# Allegro board SDHCalFEB20180110.brd (continued)
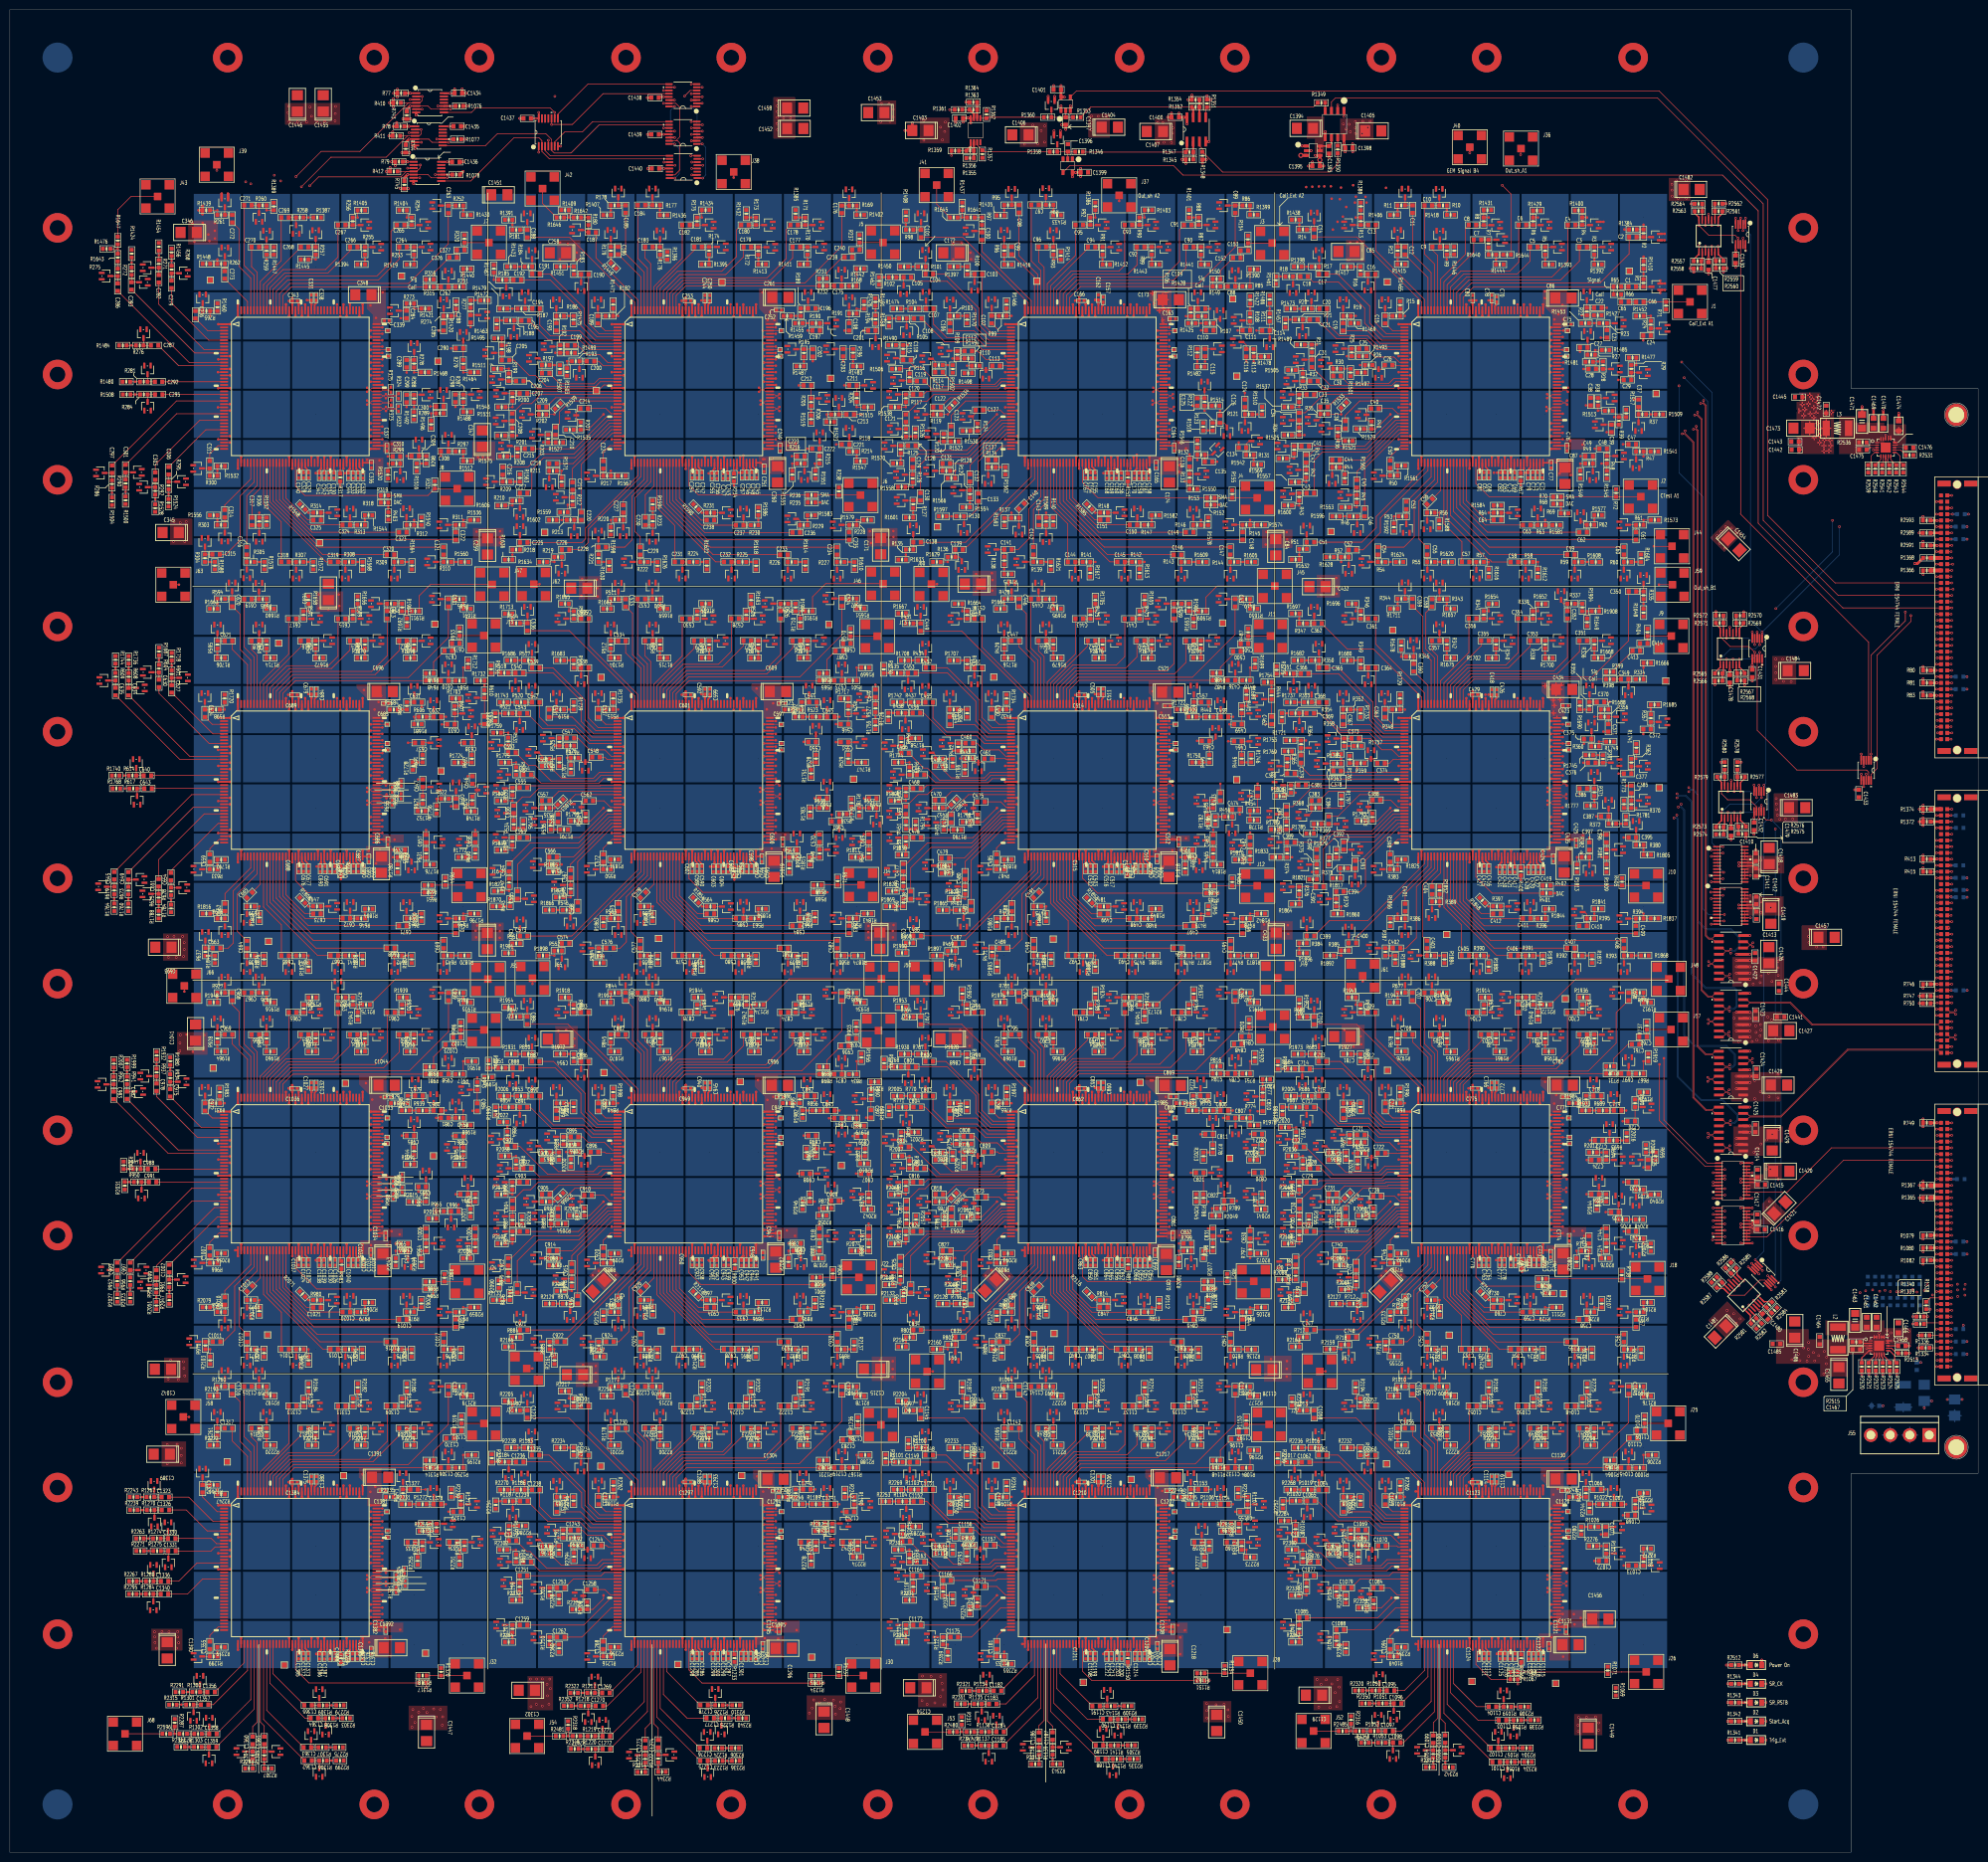
[diagram p0: board, top side]
## Routing (per net, layer and track width the routed paths; a pad name or vN(x,y) marks a point on that pad's centre or on a via; arc(x,y) is an arc through that point) (continued)
ANALOGIN28_ASIC_D1: length 42.5
  TOP w0.127: C1072.2 v1(322.2,59.19) ; v1(282.41,60.74) U845.16
  GND1 w0.127: v2(283.15,60.74) v1(282.41,60.74) ; v1(322.2,59.19) v2(321.46,59.19)
  SIG3 w0.127: v2(321.46,59.19) 319.65,59.19 319.43,59.41 287.96,59.41 286.63,60.74 v2(283.15,60.74)
ANALOGIN28_ASIC_D2: length 41.5
  TOP w0.127: v1(202.4,60.74) U910.16 ; C1159.2 v1(240.86,62.18)
  GND1 w0.127: v1(240.86,62.18) v2(240.86,61.44) ; v1(202.4,60.74) v2(203.14,60.74)
  SIG3 w0.127: v2(203.14,60.74) 234.88,60.74 235.59,61.44 v2(240.86,61.44)
ANALOGIN28_ASIC_D3: length 41.7
  TOP w0.127: v1(122.39,60.74) U975.16 ; C1246.2 v1(160.87,62.03)
  GND1 w0.127: v2(123.13,60.74) v1(122.39,60.74) ; v1(160.87,62.03) v2(160.87,61.29)
  SIG3 w0.127: v2(123.13,60.74) 154.47,60.74 155.12,61.39 160.18,61.39 160.28,61.29 v2(160.87,61.29)
ANALOGIN28_ASIC_D4: length 41.1
  TOP w0.127: C1333.2 v1(80.87,62.03) ; v1(42.38,60.74) U1040.16
  GND1 w0.127: v1(80.87,62.03) v2(80.14,62.03) ; v2(43.12,60.74) v1(42.38,60.74)
  SIG3 w0.127: v2(43.12,60.74) 75.22,60.74 75.84,61.37 79.48,61.37 v2(80.14,62.03)
ANALOGIN29_ASIC_A1: length 45
  TOP w0.127: U65.17 283.6,300.13 v1(284.77,300.13) ; C29.2 v1(327.04,299.2)
  GND1 w0.127: v1(327.04,299.2) v2(326.31,299.2) ; v2(285.51,300.13) v1(284.77,300.13)
  SIG3 w0.127: v2(285.51,300.13) 286.24,299.39 325.12,299.39 325.31,299.2 v2(326.31,299.2)
ANALOGIN29_ASIC_A2: length 50.9
  TOP w0.127: v1(204.76,300.12) U130.17 ; C116.2 251.42,302.96 251.43,302.95 v1(251.43,302.95)
  GND1 w0.127: v1(251.43,302.95) 251.43,302.94 v2(251.43,302.21) ; v1(204.76,300.12) v2(205.5,300.12)
  SIG3 w0.127: v2(251.43,302.21) 248.77,299.55 206.07,299.55 v2(205.5,300.12)
ANALOGIN29_ASIC_A3: length 49
  TOP w0.127: v1(124.75,300.12) U195.17 ; C203.2 v1(169.46,302.96)
  GND1 w0.127: v1(169.46,302.96) v2(169.46,302.22) ; v2(125.49,300.12) v1(124.75,300.12)
  SIG3 w0.127: v2(169.46,302.22) 166.78,299.55 126.06,299.55 v2(125.49,300.12)
ANALOGIN29_ASIC_A4: length 50.9
  TOP w0.127: v1(44.74,300.12) U260.17 ; C290.2 v1(89.71,305.6)
  GND1 w0.127: v1(89.71,305.6) v2(88.98,305.6) ; v2(45.48,300.12) v1(44.74,300.12)
  SIG3 w0.127: v2(88.98,305.6) 81.62,298.25 47.35,298.25 v2(45.48,300.12)
ANALOGIN29_ASIC_B1: length 45
  TOP w0.127: v1(284.84,220.11) U325.17 ; C377.2 v1(327.13,219.18)
  GND1 w0.127: v1(327.13,219.18) v2(325.99,219.18) ; v1(284.84,220.11) v2(285.57,220.11)
  SIG3 w0.127: v2(285.57,220.11) 285.78,220.11 286.44,219.46 318.46,219.46 318.74,219.18 v2(325.99,219.18)
ANALOGIN29_ASIC_B5: length 47.7
  TOP w0.127: v1(204.76,220.11) U390.17 ; C464.2 v1(247.76,225.76)
  GND1 w0.127: v2(205.5,220.11) v1(204.76,220.11) ; v1(247.76,225.76) v2(247.02,225.76)
  SIG3 w0.127: v2(247.02,225.76) 244.05,222.79 236.43,222.79 236.27,222.63 236.26,222.63 235.93,222.3 235.93,222.29 234.42,220.78 232.41,220.78 231.74,220.11 v2(205.5,220.11)
ANALOGIN29_ASIC_B6: length 47.7
  TOP w0.127: C551.2 v1(168,225.58) ; v1(124.75,220.11) U455.17
  GND1 w0.127: v1(168,225.58) v2(167.26,225.58) ; v1(124.75,220.11) v2(125.49,220.11)
  SIG3 w0.127: v2(125.49,220.11) 151.55,220.11 153.43,221.98 154.8,221.98 155.52,222.71 164.38,222.71 v2(167.26,225.58)
ANALOGIN29_ASIC_B7: length 51.1
  TOP w0.127: C638.2 v1(91.44,225.45) ; v1(44.74,220.11) U520.17
  GND1 w0.127: v1(44.74,220.11) v2(45.48,220.11) ; v1(91.44,225.45) v2(90.7,225.45)
  SIG3 w0.127: v2(90.7,225.45) 87.96,222.71 75.41,222.71 72.81,220.11 v2(45.48,220.11)
ANALOGIN29_ASIC_C1: length 49.9
  TOP w0.127: C725.2 v1(332.18,139.17) ; v1(284.78,140.1) U585.17
  GND1 w0.127: v1(332.18,139.17) v2(331.44,139.17) ; v2(285.51,140.1) v1(284.78,140.1)
  SIG3 w0.127: v2(285.51,140.1) 309.63,140.1 310.24,139.5 330.57,139.5 330.9,139.17 v2(331.44,139.17)
ANALOGIN29_ASIC_C2: length 51.9
  TOP w0.127: v1(204.76,140.1) U650.17 ; C812.2 v1(252.17,145.93)
  GND1 w0.127: v2(205.5,140.1) v1(204.76,140.1) ; v1(252.17,145.93) v2(251.43,145.93)
  SIG3 w0.127: v2(205.5,140.1) 233.14,140.1 234.37,141.33 245.59,141.33 250.19,145.93 v2(251.43,145.93)
ANALOGIN29_ASIC_C3: length 51
  TOP w0.127: C899.2 v1(171.37,145.52) ; v1(124.75,140.1) U715.17
  GND1 w0.127: v2(170.64,145.52) v1(171.37,145.52) ; v2(125.49,140.1) v1(124.75,140.1)
  SIG3 w0.127: v2(125.49,140.1) 150.26,140.1 150.83,140.67 154.21,140.67 156.24,142.7 167.81,142.7 v2(170.64,145.52)
ANALOGIN29_ASIC_C4: length 49.4
  TOP w0.127: v1(44.74,140.1) U780.17 ; C986.2 v1(90,145.55)
  GND1 w0.127: v1(90,145.55) v2(89.25,145.55) ; v2(45.48,140.1) v1(44.74,140.1)
  SIG3 w0.127: v2(45.48,140.1) 67.63,140.1 68.28,140.74 73.99,140.74 75.97,142.72 86.43,142.72 v2(89.25,145.55)
ANALOGIN29_ASIC_D1: length 46.4
  TOP w0.127: C1073.2 v1(328.17,58.25) ; v1(284.78,60.09) U845.17
  GND1 w0.127: v1(328.17,58.25) v2(327.43,58.25) ; v1(284.78,60.09) v2(285.51,60.09)
  SIG3 w0.127: v2(285.51,60.09) 287.44,58.17 317.32,58.17 317.41,58.25 v2(327.43,58.25)
ANALOGIN29_ASIC_D2: length 46.2
  TOP w0.127: v1(204.76,60.09) U910.17 ; C1160.2 v1(247.49,62)
  GND1 w0.127: v1(247.49,62) v2(246.75,62) ; v2(205.5,60.09) v1(204.76,60.09)
  SIG3 w0.127: v2(205.5,60.09) 206.15,59.44 244.19,59.44 v2(246.75,62)
ANALOGIN29_ASIC_D3: length 48.1
  TOP w0.127: v1(169.39,62.05) C1247.2 ; v1(124.75,60.09) U975.17
  GND1 w0.127: v2(125.49,60.09) v1(124.75,60.09) ; v1(169.39,62.05) v2(168.87,61.53)
  SIG3 w0.127: v2(125.49,60.09) 126.14,59.44 166.78,59.44 v2(168.87,61.53)
ANALOGIN29_ASIC_D4: length 48.1
  TOP w0.127: v1(44.74,60.09) U1040.17 ; C1334.2 v1(89.41,62.05)
  GND1 w0.127: v1(44.74,60.09) v2(45.48,60.09) ; v1(89.41,62.05) v2(88.67,62.05)
  SIG3 w0.127: v2(45.48,60.09) 46.05,59.52 86.14,59.52 v2(88.67,62.05)
ANALOGIN30_ASIC_A1: length 14
  TOP w0.127: C30.2 270.62,299.95 272.1,298.48 280.42,298.48 281.41,299.47 U65.18
ANALOGIN30_ASIC_A2: length 15.5
  TOP w0.127: U130.18 201.48,299.47 200.25,298.25 192.15,298.25 189.69,300.71 C117.2
ANALOGIN30_ASIC_A3: length 15.2
  TOP w0.127: U195.18 119.84,299.47 118.77,298.4 111.84,298.4 109.73,300.51 C204.2
ANALOGIN30_ASIC_B1: length 13
  TOP w0.127: U325.18 271.53,219.46 271.26,219.73 C378.2
ANALOGIN30_ASIC_B5: length 15.7
  TOP w0.127: U390.18 199.32,219.46 198.17,218.31 191.41,218.31 189.74,219.99 C465.2
ANALOGIN30_ASIC_B6: length 15.3
  TOP w0.127: U455.18 119.89,219.46 118.69,218.26 112.15,218.26 109.75,220.66 C552.2
ANALOGIN30_ASIC_C1: length 15.8
  TOP w0.127: C726.2 269.77,140.05 271.67,138.15 278.33,138.15 279.63,139.45 U585.18
ANALOGIN30_ASIC_C2: length 15.7
  TOP w0.127: C813.2 189.76,140.05 191.54,138.28 199.52,138.28 200.69,139.45 U650.18
ANALOGIN30_ASIC_C3: length 15.6
  TOP w0.127: C900.2 109.78,140.08 111.55,138.3 118.62,138.3 119.76,139.45 U715.18
ANALOGIN30_ASIC_D1: length 15.4
  TOP w0.127: U845.18 280.04,59.44 278.82,58.22 272.22,58.22 269.78,60.66 C1074.2
ANALOGIN30_ASIC_D2: length 15.2
  TOP w0.127: U910.18 200.08,59.44 199.14,58.5 191.91,58.5 189.75,60.66 C1161.2
ANALOGIN30_ASIC_D3: length 15.2
  TOP w0.127: U975.18 120.42,59.44 119.33,58.34 112.1,58.34 109.78,60.66 C1248.2
ANALOGIN31_ASIC_A1: length 20.7
  TOP w0.127: U65.19 281.78,298.82 281,298.04 268.56,298.04 264.81,301.79 C31.2
ANALOGIN31_ASIC_A2: length 23.4
  TOP w0.127: C118.2 183.18,302.63 184.04,301.78 185.27,301.78 189.23,297.81 200.61,297.81 201.61,298.82 U130.19
ANALOGIN31_ASIC_A3: length 24.6
  TOP w0.127: C205.2 102.53,303.21 105.61,300.13 106.86,300.13 109.09,297.89 119.13,297.89 120.05,298.82 U195.19
ANALOGIN31_ASIC_A4: length 12.5
  TOP w0.127: C292.2 43.56,298.82 U260.19
ANALOGIN31_ASIC_B1: length 22.5
  TOP w0.127: C379.2 262.56,220.63 264.37,218.81 U325.19
ANALOGIN31_ASIC_B5: length 23.5
  TOP w0.127: U390.19 199.43,218.81 198.42,217.81 189.1,217.81 186.59,220.32 185.82,220.32 C466.2
ANALOGIN31_ASIC_B6: length 23.6
  TOP w0.127: U455.19 120.16,218.81 119.05,217.7 110.06,217.7 106.91,220.85 105.44,220.85 102.87,223.43 C553.2
ANALOGIN31_ASIC_B7: length 14.8
  TOP w0.127: U520.19 28.75,218.81 C640.2
ANALOGIN31_ASIC_C1: length 23.3
  TOP w0.127: C727.2 263.47,143.33 269.13,137.67 278.84,137.67 279.97,138.8 U585.19
ANALOGIN31_ASIC_C2: length 23.5
  TOP w0.127: U650.19 201.21,138.8 200.2,137.79 189.13,137.79 183.62,143.3 C814.2
ANALOGIN31_ASIC_C3: length 23.7
  TOP w0.127: C901.2 103.71,143.43 109.37,137.77 119.53,137.77 120.56,138.8 U715.19
ANALOGIN31_ASIC_C4: length 14
  TOP w0.127: U780.19 29.62,138.8 C988.2
ANALOGIN31_ASIC_D1: length 23.5
  TOP w0.127: C1075.2 262.98,63.32 265.44,60.86 266.52,60.86 269.7,57.68 279.2,57.68 280.3,58.79 U845.19
ANALOGIN31_ASIC_D2: length 23.1
  TOP w0.127: U910.19 200.39,58.79 199.59,57.99 188.9,57.99 185.7,61.19 184.95,61.19 183.02,63.12 C1162.2
ANALOGIN31_ASIC_D3: length 23.3
  TOP w0.127: C1249.2 103,63.25 105.16,61.09 105.8,61.09 109.13,57.76 119.74,57.76 120.77,58.79 U975.19
ANALOGIN31_ASIC_D4: length 12.9
  TOP w0.127: U1040.19 38.06,58.79 34.34,55.06 C1336.2
ANALOGIN32_ASIC_A1: length 18.6
  TOP w0.127: C32.2 265.95,298.91 267.38,297.48 281.43,297.48 282.12,298.17 U65.20
ANALOGIN32_ASIC_A2: length 18.6
  TOP w0.127: U130.20 201.83,298.17 201.02,297.36 187.53,297.36 185.98,298.91 C119.2
ANALOGIN32_ASIC_A3: length 20.1
  TOP w0.127: U195.20 120.78,298.17 119.99,297.38 107.26,297.38 105.68,298.97 C206.2
ANALOGIN32_ASIC_B1: length 22.8
  TOP w0.127: U325.20 282.6,218.16 282.53,218.08 262.38,218.08 C380.2
ANALOGIN32_ASIC_B5: length 18.6
  TOP w0.127: U390.20 199.77,218.16 198.96,217.35 188.21,217.35 186.62,218.94 C467.2
ANALOGIN32_ASIC_B6: length 18.7
  TOP w0.127: C554.2 106.3,218.97 108.03,217.25 119.79,217.25 120.7,218.16 U455.20
ANALOGIN32_ASIC_C1: length 18.9
  TOP w0.127: U585.20 280.14,138.15 278.99,137.01 268.54,137.01 266.56,138.98 C728.2
ANALOGIN32_ASIC_C2: length 18.7
  TOP w0.127: U650.20 202.08,138.15 201.22,137.29 188.39,137.29 186.72,138.96 C815.2
ANALOGIN32_ASIC_C3: length 18.7
  TOP w0.127: U715.20 121.18,138.15 120.29,137.26 107.69,137.26 C902.2
ANALOGIN32_ASIC_D1: length 18.8
  TOP w0.127: C1076.2 265.97,58.93 267.7,57.2 280.01,57.2 280.95,58.14 U845.20
ANALOGIN32_ASIC_D2: length 18.8
  TOP w0.127: U910.20 200.73,58.14 199.72,57.12 188.67,57.12 186.82,58.97 C1163.2
ANALOGIN32_ASIC_D3: length 18.8
  TOP w0.127: U975.20 121.06,58.14 120.12,57.2 107.7,57.2 105.97,58.94 C1250.2
ANALOGIN33_ASIC_A1: length 18.7
  TOP w0.127: U65.22 265.83,296.87 265.21,296.26 C33.2
ANALOGIN33_ASIC_A2: length 18.6
  TOP w0.127: U130.22 186.43,296.87 185.81,296.25 C120.2
ANALOGIN33_ASIC_A3: length 18.5
  TOP w0.127: U195.22 107.08,296.87 106.67,296.46 C207.2
ANALOGIN33_ASIC_B1: length 20.1
  TOP w0.127: C381.2 282.6,216.86 282.6,216.86 U325.22
ANALOGIN33_ASIC_B5: length 18.6
  TOP w0.127: C468.2 185.82,216.18 186.51,216.86 U390.22
ANALOGIN33_ASIC_B6: length 18.6
  TOP w0.127: U455.22 120.16,216.86 120.02,216.71 105.57,216.71 C555.2
ANALOGIN33_ASIC_C1: length 18.7
  TOP w0.127: U585.22 279.65,136.85 279.27,136.47 266.32,136.47 266.01,136.17 C729.2
ANALOGIN33_ASIC_C2: length 18.7
  TOP w0.127: C816.2 186.13,136.17 186.66,136.7 201.96,136.7 202.1,136.85 U650.22
ANALOGIN33_ASIC_C3: length 18.6
  TOP w0.127: C903.2 105.77,136.73 121.08,136.73 121.2,136.85 U715.22
ANALOGIN33_ASIC_D1: length 18.7
  TOP w0.127: C1077.2 280.53,56.2 281.17,56.84 U845.22
ANALOGIN33_ASIC_D2: length 18.6
  TOP w0.127: U910.22 200.76,56.84 200.1,56.18 C1164.2
ANALOGIN33_ASIC_D3: length 18.6
  TOP w0.127: U975.22 120.9,56.84 120.24,56.18 C1251.2
ANALOGIN34_ASIC_A1: length 22.9
  TOP w0.127: U65.23 267.11,296.22 263.41,292.52 C34.2
ANALOGIN34_ASIC_A2: length 23
  TOP w0.127: U130.23 202.59,296.22 202.59,296.21 187.86,296.21 186.46,294.82 184.89,294.82 182.25,292.18 C121.2
ANALOGIN34_ASIC_A3: length 23
  TOP w0.127: C208.2 104.15,294.36 106.05,294.36 107.9,296.22 U195.23
ANALOGIN34_ASIC_A4: length 12.5
  TOP w0.127: U260.23 31.05,296.22 C295.2
ANALOGIN34_ASIC_B1: length 25.5
  TOP w0.127: C382.2 260.88,212.47 264.62,216.21 U325.23
ANALOGIN34_ASIC_B5: length 22.9
  TOP w0.127: U390.23 187.84,216.21 186.56,214.93 184.67,214.93 182.24,212.5 C469.2
ANALOGIN34_ASIC_B6: length 22.6
  TOP w0.127: C556.2 104.25,214.45 105.82,214.45 107.57,216.21 U455.23
ANALOGIN34_ASIC_B7: length 14.7
  TOP w0.127: C643.2 28.94,216.21 U520.23
ANALOGIN34_ASIC_C1: length 23
  TOP w0.127: C730.2 264.72,134.8 266.55,134.8 267.67,135.92 279.6,135.92 279.89,136.2 U585.23
ANALOGIN34_ASIC_C2: length 22.9
  TOP w0.127: C817.2 182.36,132.31 184.88,134.82 186.13,134.82 187.4,136.09 202.21,136.09 202.32,136.2 U650.23
ANALOGIN34_ASIC_C3: length 22.9
  TOP w0.127: U715.23 107.47,136.2 105.89,134.62 104.44,134.62 102.25,132.44 C904.2
ANALOGIN34_ASIC_C4: length 13.8
  TOP w0.127: C991.2 29.8,136.2 U780.23
ANALOGIN35_ASIC_A1: length 16.4
  TOP w0.127: C35.2 269.87,295.57 U65.24
ANALOGIN35_ASIC_A2: length 15.1
  TOP w0.127: U130.24 191.18,295.57 189.31,293.7 C122.2
ANALOGIN35_ASIC_A3: length 15.3
  TOP w0.127: C209.2 110.98,295.57 U195.24
ANALOGIN35_ASIC_B1: length 18.1
  TOP w0.127: C383.2 268.12,215.56 U325.24
ANALOGIN35_ASIC_B5: length 14.6
  TOP w0.127: U390.24 191.46,215.56 C470.2
ANALOGIN35_ASIC_B6: length 14.6
  TOP w0.127: C557.2 111.6,215.56 U455.24
ANALOGIN35_ASIC_C1: length 14.6
  TOP w0.127: C731.2 271.43,135.41 280.19,135.41 280.33,135.55 U585.24
ANALOGIN35_ASIC_C2: length 14.6
  TOP w0.127: C818.2 190.5,133.7 192.34,135.55 U650.24
ANALOGIN35_ASIC_C3: length 14.6
  TOP w0.127: C905.2 111.6,135.55 U715.24
ANALOGIN35_ASIC_D1: length 11.6
  TOP w0.127: C1079.2 272.8,53.76 274.58,55.54 U845.24
ANALOGIN35_ASIC_D2: length 12.4
  TOP w0.127: C1166.2 200.55,55.22 200.88,55.54 U910.24
ANALOGIN35_ASIC_D3: length 11.5
  TOP w0.127: U975.24 114.62,55.54 C1253.2
ANALOGIN35_ASIC_D4: length 12.6
  TOP w0.127: U1040.24 39.21,55.54 36.11,52.45 C1340.2
ANALOGIN36_ASIC_A1: length 14.4
  TOP w0.127: U65.25 274.47,294.92 271.56,292.01 C36.2
ANALOGIN36_ASIC_A2: length 15.6
  TOP w0.127: U130.25 194.36,294.92 191.4,291.96 C123.2
ANALOGIN36_ASIC_A3: length 16.2
  TOP w0.127: C210.2 111,289.56 111.79,290.35 111.79,292.74 113.97,294.92 U195.25
ANALOGIN36_ASIC_A4: length 28.2
  TOP w0.127: C297.2 33.9,294.92 U260.25
ANALOGIN36_ASIC_B1: length 17.2
  TOP w0.127: U325.25 274.47,214.91 270.05,210.49 C384.2
ANALOGIN36_ASIC_B5: length 14.2
  TOP w0.127: C471.2 191.42,211.39 194.94,214.91 U390.25
ANALOGIN36_ASIC_B6: length 14.1
  TOP w0.127: U455.25 114.96,214.91 111.48,211.43 C558.2
ANALOGIN36_ASIC_B7: length 28.8
  TOP w0.127: U520.25 36.97,214.91 21.28,199.21 C645.2
ANALOGIN36_ASIC_C1: length 14.1
  TOP w0.127: C732.2 271.63,131.45 275.08,134.9 U585.25
ANALOGIN36_ASIC_C2: length 14.2
  TOP w0.127: C819.2 191.47,131.37 195,134.9 U650.25
ANALOGIN36_ASIC_C3: length 14.3
  TOP w0.127: C906.2 111.48,131.53 114.86,134.9 U715.25
ANALOGIN36_ASIC_C4: length 28
  TOP w0.127: U780.25 36.97,134.9 21.89,119.81 C993.2
ANALOGIN37_ASIC_A1: length 48.4
  TOP w0.127: v1(284.81,294.27) U65.26 ; v1(330.28,295.21) C37.2
  GND1 w0.127: v1(330.28,295.21) v2(329.54,295.21) ; v1(284.81,294.27) v2(285.55,294.27)
  SIG3 w0.127: v2(285.55,294.27) 286.02,294.74 314.81,294.74 315.77,295.71 319.74,295.71 320.23,295.21 v2(329.54,295.21)
ANALOGIN37_ASIC_A2: length 52.2
  TOP w0.127: C124.2 v1(251.14,296.55) ; v1(204.76,294.27) U130.26
  GND1 w0.127: v2(205.5,294.27) v1(204.76,294.27) ; v1(251.14,296.55) v2(251.14,297.28)
  SIG3 w0.127: v2(251.14,297.28) 249.59,298.83 233.93,298.83 233.32,298.22 209.45,298.22 v2(205.5,294.27)
ANALOGIN37_ASIC_A3: length 49.4
  TOP w0.127: v1(124.75,294.27) U195.26 ; C211.2 170.68,298.09 v1(169.7,298.09)
  GND1 w0.127: v1(169.7,298.09) v2(168.96,298.09) ; v1(124.75,294.27) v2(125.49,294.27)
  SIG3 w0.127: v2(125.49,294.27) 129.47,298.25 154.03,298.25 154.66,298.88 168.17,298.88 v2(168.96,298.09)
ANALOGIN37_ASIC_A4: length 50.6
  TOP w0.127: v1(44.74,294.27) U260.26 ; C298.2 v1(90.61,293.71)
  GND1 w0.127: v2(45.48,294.27) v1(44.74,294.27) ; v1(90.61,293.71) v2(89.88,293.71)
  SIG3 w0.127: v2(45.48,294.27) 46.97,295.76 75.23,295.76 76.58,297.1 86.49,297.1 v2(89.88,293.71)
ANALOGIN37_ASIC_B1: length 48.1
  TOP w0.127: v1(284.84,214.26) U325.26 ; C385.2 329.7,216.71 v1(328.75,216.71)
  GND1 w0.127: v1(328.75,216.71) v2(328.02,216.71) ; v1(284.84,214.26) v2(285.57,214.26)
  SIG3 w0.127: v2(328.02,216.71) 327.44,216.13 316.78,216.13 315.62,217.3 288.61,217.3 v2(285.57,214.26)
ANALOGIN37_ASIC_B5: length 54.1
  TOP w0.127: v1(204.76,214.26) U390.26 ; C472.2 v1(253.72,217.14)
  GND1 w0.127: v2(205.5,214.26) v1(204.76,214.26) ; v1(253.72,217.14) v2(253.72,217.91)
  SIG3 w0.127: v2(205.5,214.26) 209.48,218.24 240.56,218.24 241.02,218.69 252.94,218.69 v2(253.72,217.91)
ANALOGIN37_ASIC_B6: length 52.4
  TOP w0.127: v1(124.75,214.26) U455.26 ; C559.2 v1(173.71,214.15)
  GND1 w0.127: v1(173.71,214.15) v2(172.97,214.15) ; v2(125.49,214.26) v1(124.75,214.26)
  SIG3 w0.127: v2(125.49,214.26) 151.39,214.26 152.86,215.72 171.4,215.72 v2(172.97,214.15)
ANALOGIN37_ASIC_B7: length 54.1
  TOP w0.127: v1(44.74,214.26) U520.26 ; C646.2 v1(93.14,218.64)
  GND1 w0.127: v1(93.14,218.64) v2(93.14,217.91) ; v2(45.48,214.26) v1(44.74,214.26)
  SIG3 w0.127: v2(93.14,217.91) 90.88,217.91 89.33,219.46 50.68,219.46 v2(45.48,214.26)
ANALOGIN37_ASIC_C1: length 46.3
  TOP w0.127: C733.2 v1(328.1,136.17) ; v1(284.78,134.25) U585.26
  GND1 w0.127: v1(328.1,136.17) v2(327.36,136.17) ; v2(285.51,134.25) v1(284.78,134.25)
  SIG3 w0.127: v2(285.51,134.25) 312.02,134.25 313.82,136.04 327.23,136.04 v2(327.36,136.17)
ANALOGIN37_ASIC_C2: length 52.2
  TOP w0.127: C820.2 v1(251.92,138.1) ; v1(204.76,134.25) U650.26
  GND1 w0.127: v1(204.76,134.25) v2(205.5,134.25) ; v1(251.92,138.1) v2(251.18,138.1)
  SIG3 w0.127: v2(251.18,138.1) 249.87,139.42 210.67,139.42 v2(205.5,134.25)
ANALOGIN37_ASIC_C3: length 52.3
  TOP w0.127: C907.2 v1(172.09,137.9) ; v1(124.75,134.25) U715.26
  GND1 w0.127: v1(172.09,137.9) v2(171.17,137.9) ; v2(125.49,134.25) v1(124.75,134.25)
  SIG3 w0.127: v2(171.17,137.9) 169.63,139.45 130.69,139.45 v2(125.49,134.25)
ANALOGIN37_ASIC_C4: length 51.9
  TOP w0.127: v1(44.74,134.25) U780.26 ; C994.2 v1(90.65,133.71)
  GND1 w0.127: v2(45.48,134.25) v1(44.74,134.25) ; v1(90.65,133.71) v2(90.13,134.23)
  SIG3 w0.127: v2(45.48,134.25) 49.33,138.1 75.95,138.1 76.43,138.58 85.78,138.58 v2(90.13,134.23)
ANALOGIN38_ASIC_A1: length 43.2
  TOP w0.127: v1(320.5,294.02) C38.2 ; U65.27 v1(282.41,293.62)
  GND1 w0.127: v1(320.5,294.02) v2(320.5,293.28) ; v2(281.67,293.62) v1(282.41,293.62)
  SIG3 w0.127: v2(320.5,293.28) 314.9,293.28 313.79,294.39 308.13,294.39 307.36,293.62 v2(281.67,293.62)
ANALOGIN38_ASIC_A2: length 43.4
  TOP w0.127: C125.2 v1(240.49,293.95) ; v1(202.4,293.62) U130.27
  GND1 w0.127: v2(241.13,293.75) 240.88,293.75 240.85,293.78 240.66,293.78 v1(240.49,293.95) ; v1(202.4,293.62) v2(203.14,293.62)
  SIG3 w0.127: v2(241.13,293.75) 240.88,293.75 240.85,293.78 240.66,293.78 239.83,294.61 237.11,294.61 235.86,295.86 222.35,295.86 220.11,293.62 v2(203.14,293.62)
ANALOGIN38_ASIC_A3: length 43.5
  TOP w0.127: C212.2 v1(160.43,298.08) ; v1(122.39,293.62) U195.27
  GND1 w0.127: v1(122.39,293.62) v2(121.65,293.62) ; v1(160.43,298.08) v2(159.69,298.08)
  SIG3 w0.127: v2(121.65,293.62) 128.01,293.62 130.3,295.91 154.66,295.91 156.83,298.08 v2(159.69,298.08)
ANALOGIN38_ASIC_A4: length 41.8
  TOP w0.127: C299.2 v1(80.68,293.67) ; v1(42.32,293.62) U260.27
  GND1 w0.127: v1(80.68,293.67) v2(80.68,294.41) ; v1(42.32,293.62) v2(43.05,293.62)
  SIG3 w0.127: v2(80.68,294.41) 75.97,294.41 75.03,293.47 71.45,293.47 71.3,293.62 v2(43.05,293.62)
ANALOGIN38_ASIC_B1: length 41.6
  TOP w0.127: C386.2 v1(319.2,215.06) ; v1(282.41,213.61) 283.59,213.61 U325.27
  GND1 w0.127: v1(319.2,215.06) v2(319.94,215.06) ; v1(282.41,213.61) v2(283.15,213.61)
  SIG3 w0.127: v2(283.15,213.61) 287.65,213.61 288.85,214.81 315.9,214.81 316.73,215.64 319.36,215.64 v2(319.94,215.06)
ANALOGIN38_ASIC_B5: length 50.8
  TOP w0.127: v1(202.4,213.61) U390.27 ; C473.2 v1(246.16,217.12)
  GND1 w0.127: v1(202.4,213.61) v2(201.66,213.61) ; v1(246.16,217.12) v2(246.16,217.86)
  SIG3 w0.127: v2(246.16,217.86) 244.17,215.87 233.6,215.87 231.34,213.61 v2(201.66,213.61)
ANALOGIN38_ASIC_B6: length 46.2
  TOP w0.127: C560.2 v1(163.65,214.15) ; v1(122.39,213.61) U455.27
  GND1 w0.127: v1(163.65,214.15) v2(162.92,214.15) ; v1(122.39,213.61) v2(121.65,213.61)
  SIG3 w0.127: v2(162.92,214.15) 161.84,213.08 156.57,213.08 155.27,214.38 152.48,214.38 151.71,213.61 v2(121.65,213.61)
ANALOGIN38_ASIC_B7: length 44.6
  TOP w0.127: v1(42.38,213.61) U520.27 ; C647.2 v1(83.03,218.01)
  GND1 w0.127: v1(83.03,218.01) v2(82.3,218.01) ; v1(42.38,213.61) v2(43.12,213.61)
  SIG3 w0.127: v2(43.12,213.61) 72.61,213.61 75.13,216.13 80.42,216.13 v2(82.3,218.01)
ANALOGIN38_ASIC_C1: length 42.5
  TOP w0.127: C734.2 v1(320.62,133.71) ; v1(282.41,133.6) U585.27
  GND1 w0.127: v2(283.15,133.6) v1(282.41,133.6) ; v1(320.62,133.71) 320.89,133.44 320.89,133.32 321.02,133.19 v2(321.15,133.19)
  SIG3 w0.127: v2(283.15,133.6) 312.85,133.6 313.64,134.39 315.47,134.39 316.67,133.19 v2(321.15,133.19)
ANALOGIN38_ASIC_C2: length 43.6
  TOP w0.127: v1(202.4,133.6) U650.27 ; C821.2 v1(240.16,138.08)
  GND1 w0.127: v1(202.4,133.6) v2(201.67,133.6) ; v1(240.16,138.08) v2(239.32,138.08)
  SIG3 w0.127: v2(239.32,138.08) 238.94,138.46 235.21,138.46 234.29,137.54 213.54,137.54 209.6,133.6 v2(201.67,133.6)
ANALOGIN38_ASIC_C3: length 43.5
  TOP w0.127: v1(122.39,133.6) U715.27 ; C908.2 v1(160.2,137.9)
  GND1 w0.127: v2(121.66,133.6) v1(122.39,133.6) ; v1(160.2,137.9) v2(159.46,137.9)
  SIG3 w0.127: v2(159.46,137.9) 158.92,137.9 158.59,138.23 152.25,138.23 147.62,133.6 v2(121.66,133.6)
ANALOGIN38_ASIC_C4: length 45.9
  TOP w0.127: v1(83.09,134.22) 83.08,134.22 C995.2 ; v1(42.38,133.6) U780.27
  GND1 w0.127: v2(82.35,134.21) 82.37,134.21 82.38,134.22 v1(83.09,134.22) ; v2(41.65,133.6) v1(42.38,133.6)
  SIG3 w0.127: v2(82.35,134.21) 80.83,135.74 72.95,135.74 70.81,133.6 v2(41.65,133.6)
ANALOGIN39_ASIC_A1: length 43.9
  TOP w0.127: C39.2 v1(324.71,288.58) ; v1(284.77,292.97) U65.28
  GND1 w0.127: v1(284.77,292.97) v2(285.52,292.97) ; v1(324.71,288.58) v2(323.98,288.58)
  SIG3 w0.127: v2(285.52,292.97) 303.37,292.97 304.95,291.39 312.93,291.39 313.87,290.45 318.95,290.45 320.81,288.58 v2(323.98,288.58)
ANALOGIN39_ASIC_A2: length 44.7
  TOP w0.127: C126.2 v1(246.09,292.95) ; v1(204.76,292.97) U130.28
  GND1 w0.127: v2(205.5,292.97) v1(204.76,292.97) ; v1(246.09,292.95) v2(246.09,292.11)
  SIG3 w0.127: v2(246.09,292.11) 237.5,292.11 236.65,292.97 v2(205.5,292.97)
ANALOGIN39_ASIC_A3: length 54.2
  TOP w0.127: v1(124.75,292.97) U195.28 ; C213.2 v1(173.23,292.19)
  GND1 w0.127: v2(125.49,292.97) v1(124.75,292.97) ; v1(173.23,292.19) v2(173.96,292.19)
  SIG3 w0.127: v2(125.49,292.97) 154.51,292.97 155.89,294.35 171.81,294.35 v2(173.96,292.19)
ANALOGIN39_ASIC_A4: length 44.1
  TOP w0.127: C300.2 v1(85.51,293.81) ; v1(44.75,292.97) U260.28
  GND1 w0.127: v1(85.51,293.81) v2(84.75,293.81) ; v1(44.75,292.97) v2(45.49,292.97)
  SIG3 w0.127: v2(84.75,293.81) 83.13,292.2 75.79,292.2 75.02,292.97 v2(45.49,292.97)
ANALOGIN39_ASIC_B1: length 42.1
  TOP w0.127: C387.2 v1(322.61,210.49) ; v1(284.77,212.96) U325.28
  GND1 w0.127: v1(284.77,212.96) v2(285.51,212.96) ; v1(322.61,210.49) v2(321.87,210.49)
  SIG3 w0.127: v2(321.87,210.49) 319.58,210.49 315.74,214.34 311.38,214.34 310.86,213.82 289.79,213.82 288.93,212.96 v2(285.51,212.96)
ANALOGIN39_ASIC_B5: length 50.9
  TOP w0.127: v1(204.76,212.96) U390.28 ; C474.2 v1(250.09,210.92)
  GND1 w0.127: v1(204.76,212.96) v2(204.03,212.96) ; v1(250.09,210.92) v2(250.09,211.66)
  SIG3 w0.127: v2(204.03,212.96) 232.23,212.96 232.95,212.23 234.97,212.23 235.81,213.08 248.67,213.08 v2(250.09,211.66)
ANALOGIN39_ASIC_B6: length 47.7
  TOP w0.127: C561.2 v1(167.13,210.85) ; v1(124.75,212.96) U455.28
  GND1 w0.127: v1(124.75,212.96) v2(124.02,212.96) ; v2(166.4,210.85) v1(167.13,210.85)
  SIG3 w0.127: v2(124.02,212.96) 145.64,212.96 147.52,211.07 153.64,211.07 154.33,210.39 165.94,210.39 v2(166.4,210.85)
ANALOGIN39_ASIC_B7: length 48.1
  TOP w0.127: C648.2 v1(89.74,212.55) ; v1(44.74,212.96) U520.28
  GND1 w0.127: v1(44.74,212.96) v2(45.48,212.96) ; v1(89.74,212.55) v2(89,212.55)
  SIG3 w0.127: v2(45.48,212.96) 63.85,212.96 65.23,211.58 84.83,211.58 85.8,212.55 v2(89,212.55)
ANALOGIN39_ASIC_C1: length 43.2
  TOP w0.127: C735.2 v1(324.51,130.08) ; v1(284.78,132.95) U585.28
  GND1 w0.127: v2(285.51,132.95) v1(284.78,132.95) ; v2(323.99,130.59) 324,130.59 v1(324.51,130.08)
  SIG3 w0.127: v2(285.51,132.95) 312.72,132.95 313.99,131.67 319.3,131.67 320.38,130.59 v2(323.99,130.59)
ANALOGIN39_ASIC_C2: length 48.4
  TOP w0.127: C822.2 v1(249.5,132.33) ; v1(204.76,132.95) U650.28
  GND1 w0.127: v1(204.76,132.95) v2(205.5,132.95) ; v1(249.5,132.33) v2(248.47,132.33)
  SIG3 w0.127: v2(205.5,132.95) 228.91,132.95 230.43,134.47 235.14,134.47 236.51,133.1 247.7,133.1 v2(248.47,132.33)
ANALOGIN39_ASIC_C3: length 48.4
  TOP w0.127: C909.2 v1(169.49,132.38) ; v1(124.75,132.95) U715.28
  GND1 w0.127: v2(125.49,132.95) v1(124.75,132.95) ; v1(169.49,132.38) v2(168.76,132.38)